# KiCad board helios-panel.kicad_pcb (continued)
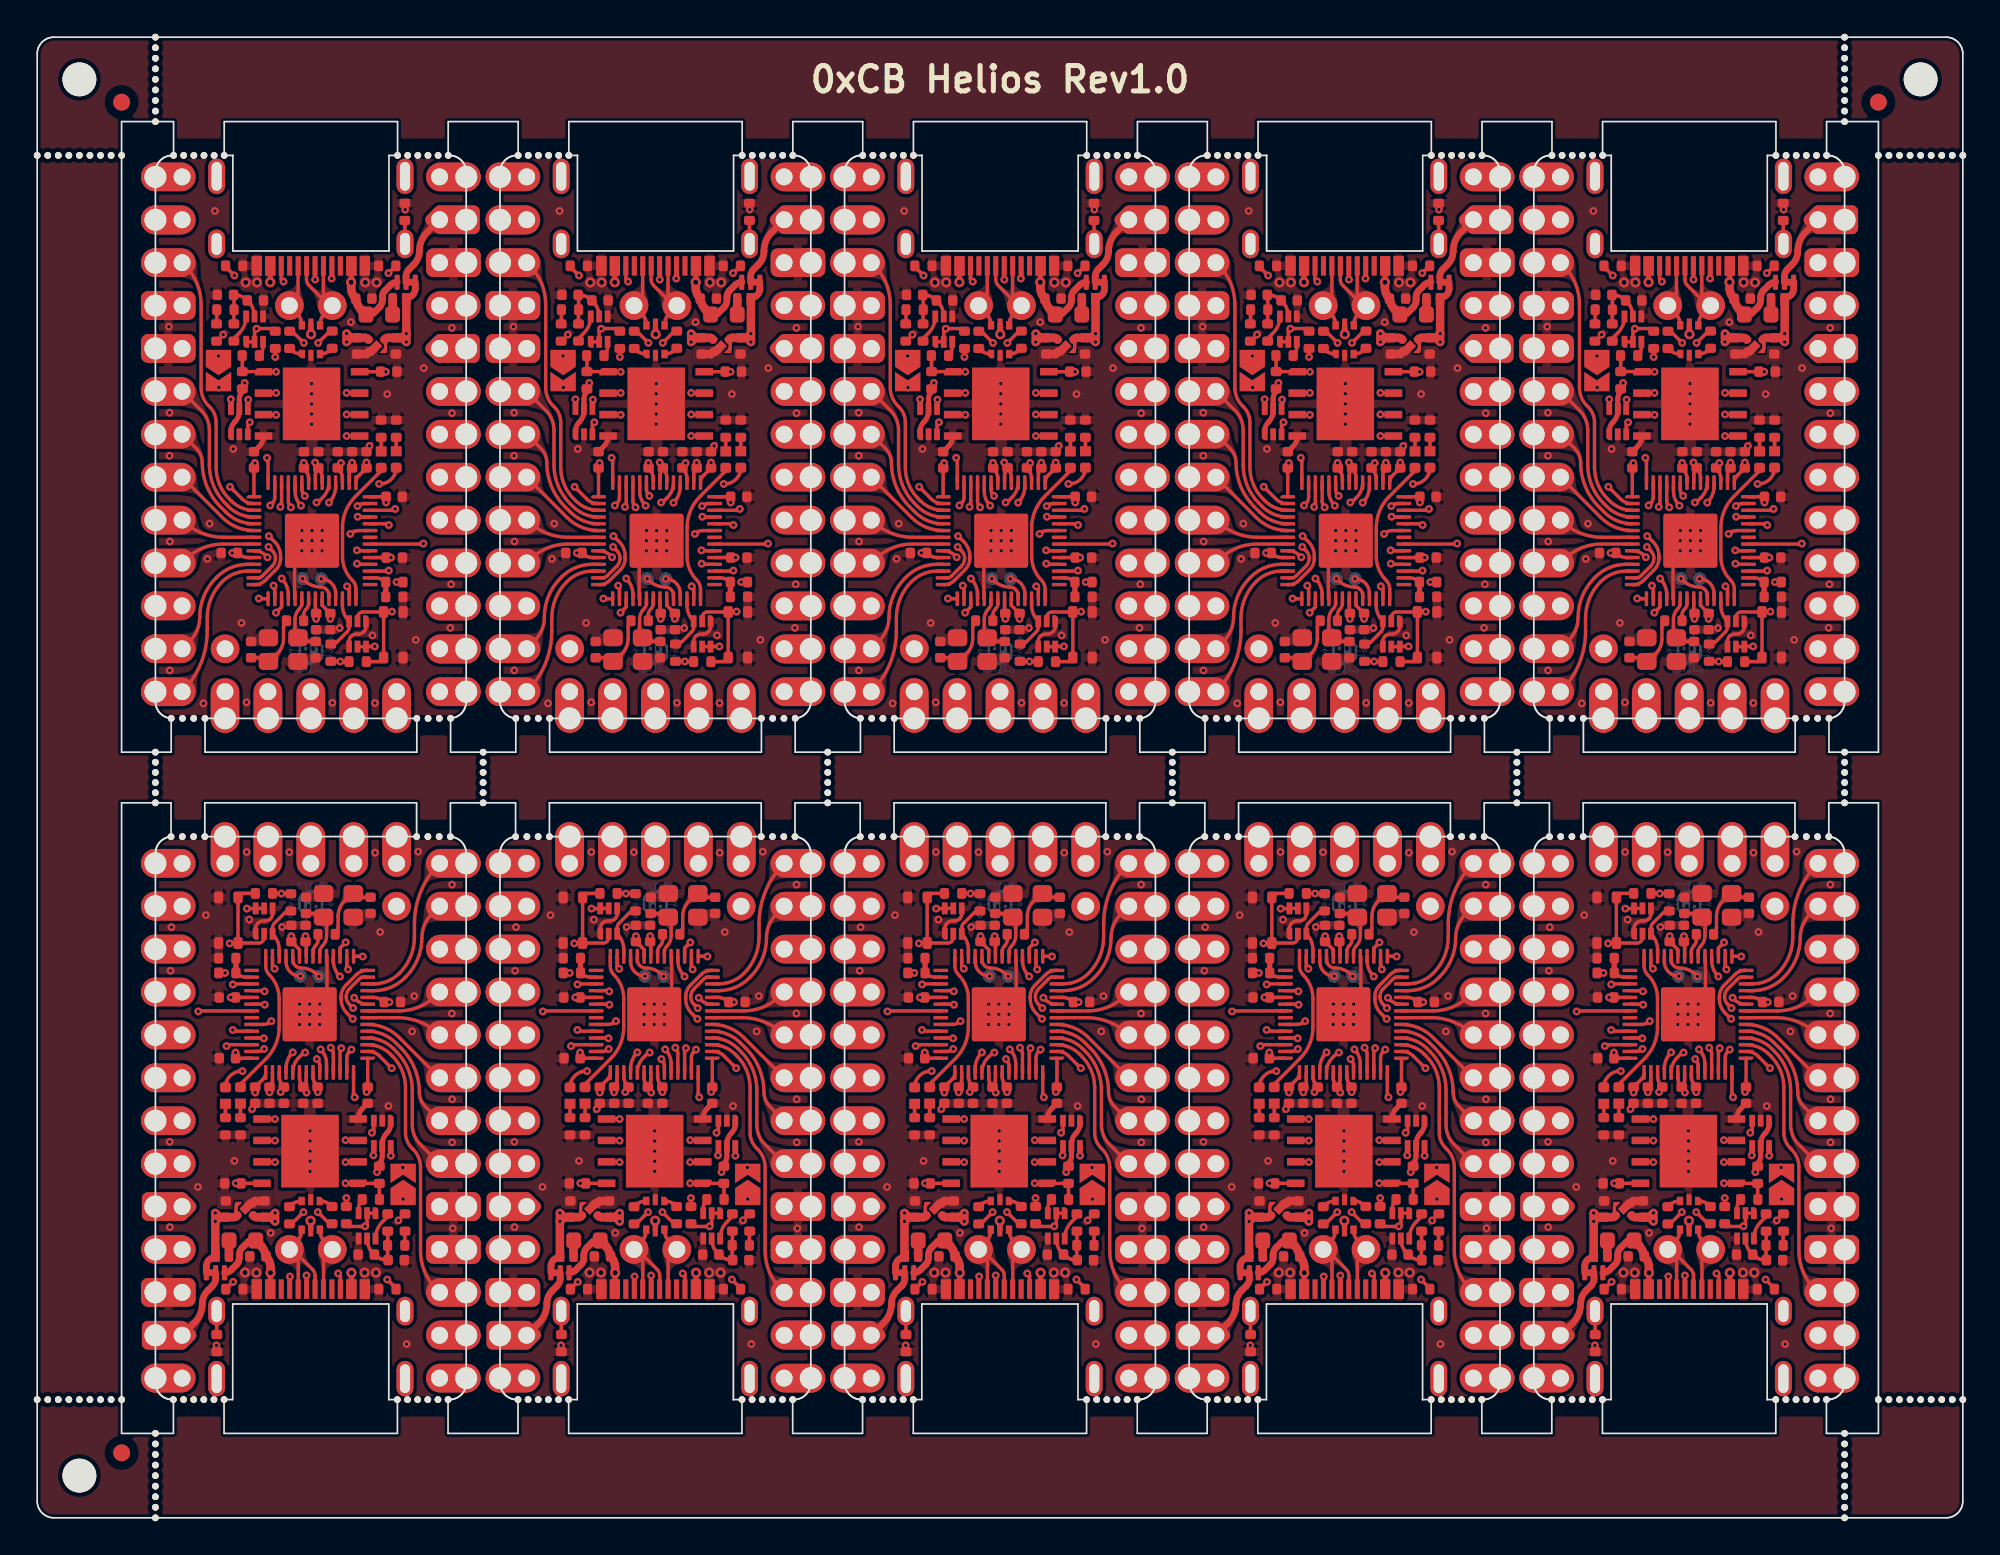
[diagram p0: board, top side]
## Routing (per net, layer and track width the routed paths; a pad name or vN(x,y) marks a point on that pad's centre or on a via; arc(x,y) is an arc through that point) (continued)
Board_2-/BOOT: length 0.9
  Top w0.2: Q2#5.3 54.17,69.33 arc(54.11,69.05) R9#4.2
Board_2-/D+: length 12.7
  Top w0.2: v1(56.58,69.56) 55.89,70.25 R12#4.2 ; v1(57.33,60.11) 57.41,60.11 57.7,60.4 arc(57.97,60.81) U4#3.47
  In1.Cu w0.2: v1(56.58,69.56) 57.21,68.93 arc(57.69,68.21) 57.86,67.37 57.86,66.51 57.86,62.62 arc(57.82,62.43) 57.71,62.27 57.62,62.17 arc(57.51,62.01) 57.47,61.82 57.47,60.25 v1(57.33,60.11)
Board_2-/D-: length 12.7
  Top w0.2: v1(57.44,69.56) 58.14,70.26 R13#9.2 ; U4#3.46 58.47,61.07 arc(58.37,60.54) v1(58.07,60.1)
  In1.Cu w0.2: v1(57.44,69.56) 57.44,69.55 arc(57.47,69.36) 57.58,69.2 arc(58.12,68.39) 58.31,67.44 58.31,66.13 arc(58.34,66.06) 58.4,66.04 arc(58.46,66.01) 58.49,65.95 58.49,65.83 arc(58.46,65.76) 58.4,65.74 58.31,65.74 58.31,65.73 58.25,65.73 arc(58.2,65.71) 58.18,65.66 58.18,65.49 arc(58.2,65.44) 58.25,65.43 arc(58.29,65.41) 58.31,65.36 58.31,62.44 arc(58.27,62.25) 58.16,62.08 58.07,61.99 arc(57.96,61.83) 57.92,61.63 57.92,60.45 arc(57.96,60.26) 58.07,60.1 v1(58.07,60.1)
Board_2-/LED: length 8.8
  Top w0.2: D2#7.2 61.17,61.99 59.64,60.47 arc(59.07,59.62) 58.88,58.62 58.88,56.92 arc(59.03,56.15) 59.46,55.5 arc(59.62,55.27) 59.67,55 U4#3.28
Board_2-/PORT+: length 7.1
  Top w0.2: 57.25,74.12 57.25,73.32 v1(57.25,73.31) ; U1.6 56.47,70.62 arc(56.39,71) 56.17,71.33 J2#10.34 56.25,72.28 56.25,74.12
  In1.Cu w0.2: J2#10.34 55.89,71.77 57.25,73.13 v1(57.25,73.31)
Board_2-/PORT-: length 7.1
  Top w0.2: J2#10.33 57.84,71.34 arc(57.62,71.01) 57.54,70.63 U1.4 ; J2#10.33 57.75,72.29 57.75,74.12 ; J2#10.33 58.08,71.77 56.89,72.96 arc(56.78,73.13) 56.75,73.32 56.75,74.12
Board_2-/QSPI_CLK: length 11.3
  Top w0.2: U4#3.52 56.07,60.77 arc(56.16,60.31) v1(56.42,59.92) ; v1(59.12,65.32) 59.13,65.31 U3#8.6
  In2.Cu w0.2: v1(56.42,59.92) 56.42,60.02 arc(55.96,60.72) 55.8,61.53 55.8,62.81 arc(55.97,63.23) 56.39,63.4 59.09,63.4 arc(59.45,63.55) 59.59,63.9 59.59,64.18 arc(59.47,64.8) v1(59.12,65.32)
Board_2-/QSPI_CS: length 9.8
  Top w0.2: v1(54.41,62.76) 54.47,62.69 54.47,61.31 ; 52.94,68.81 52.94,68.8 R11#3.2 54.19,67.86 U3#8.1 54.94,67.85 v1(54.94,67.85)
  In2.Cu w0.2: v1(54.41,62.76) arc(54.23,63.02) 54.17,63.32 54.17,65.98 arc(54.37,66.99) v1(54.94,67.85)
Board_2-/QSPI_SD0: length 11.3
  Top w0.2: v1(55.82,59.82) 55.82,59.83 arc(55.71,59.99) 55.67,60.18 U4#3.53 ; v1(59.12,64.05) 59.12,64.04 U3#8.5
  In2.Cu w0.2: v1(55.82,59.82) 55.82,59.9 arc(55.58,60.26) 55.5,60.68 55.5,62.86 arc(55.74,63.45) 56.33,63.7 57.17,63.7 arc(57.27,63.74) 57.31,63.85 57.31,64.1 arc(57.36,64.21) 57.47,64.25 arc(57.57,64.21) 57.61,64.1 57.61,63.85 arc(57.66,63.74) 57.77,63.7 arc(57.87,63.74) 57.92,63.85 57.92,64.1 arc(57.96,64.21) 58.06,64.25 arc(58.17,64.21) 58.22,64.1 58.22,63.85 arc(58.26,63.74) 58.36,63.7 arc(58.74,63.77) 59.06,63.99 v1(59.12,64.05)
Board_2-/QSPI_SD1: length 11.4
  Top w0.2: v1(54.59,59.94) 54.72,60.06 arc(54.83,60.23) 54.87,60.42 U4#3.55 ; U3#8.2 54.93,66.58 v1(54.94,66.6)
  In2.Cu w0.2: v1(54.59,59.94) 54.76,60.1 arc(54.86,60.25) 54.89,60.42 arc(54.85,60.53) 54.75,60.57 54.64,60.57 arc(54.54,60.61) 54.5,60.72 arc(54.54,60.83) 54.64,60.87 54.75,60.87 arc(54.85,60.91) 54.89,61.02 arc(54.85,61.13) 54.75,61.17 54.64,61.17 arc(54.54,61.21) 54.5,61.32 arc(54.54,61.43) 54.64,61.47 54.75,61.47 arc(54.85,61.51) 54.89,61.62 arc(54.85,61.73) 54.75,61.77 54.64,61.77 arc(54.54,61.81) 54.5,61.92 arc(54.54,62.03) 54.64,62.07 54.75,62.07 arc(54.85,62.11) 54.89,62.22 54.89,62.78 arc(54.86,62.97) 54.75,63.13 54.62,63.26 arc(54.51,63.43) 54.47,63.62 54.47,63.96 arc(54.51,64.06) 54.62,64.11 54.72,64.11 arc(54.83,64.15) 54.87,64.26 arc(54.83,64.36) 54.72,64.41 54.62,64.41 arc(54.51,64.45) 54.47,64.56 54.47,65.46 arc(54.59,66.07) v1(54.94,66.6)
Board_2-/QSPI_SD2: length 11.3
  Top w0.2: v1(55.19,59.85) 55.27,59.92 U4#3.54 ; v1(54.94,65.3) 54.93,65.31 U3#8.3
  In2.Cu w0.2: v1(55.19,59.85) 55.19,63.85 arc(55.24,63.96) 55.34,64 56.05,64 arc(56.15,64.04) 56.19,64.15 arc(56.15,64.26) 56.05,64.3 55.34,64.3 arc(55.24,64.34) 55.19,64.45 arc(55.24,64.56) 55.34,64.6 56.05,64.6 arc(56.15,64.64) 56.19,64.75 arc(56.15,64.86) 56.05,64.9 55.34,64.9 arc(55.24,64.94) 55.19,65.05 v1(54.94,65.3)
Board_2-/QSPI_SD3: length 11.4
  Top w0.2: v1(59.12,66.6) 59.14,66.58 U3#8.7 ; v1(56.64,60.5) 56.62,60.53 arc(56.51,60.69) 56.47,60.88 U4#3.51
  In2.Cu w0.2: v1(56.64,60.5) arc(56.24,61.11) 56.1,61.82 56.1,62.75 arc(56.19,62.98) 56.43,63.08 59.11,63.08 arc(59.69,63.32) 59.94,63.9 59.94,64.63 arc(59.72,65.7) v1(59.12,66.6)
Board_2-/RAW: length 4.4
  Top w0.4: JP2#3.2 62.64,73.48 arc(62.68,73.72) 62.82,73.92 63.1,74.21 arc(63.34,74.56) 63.42,74.98 arc(63.55,75.6) 63.9,76.13 J2#10.30
Board_2-/RESET: length 25.2
  Top w0.2: SW1#4.2 SW1#4.2 61.07,50.69 60.28,50.69 ; SW1#4.2 60.08,53.63 arc(59.86,53.54) 59.77,53.31 Q1#10.2 ; SW1#4.2 61.78,53.63 v1(61.81,53.65)
  In2.Cu w0.2: v1(61.81,53.65) arc(62.75,55.06) 63.08,56.73 63.08,68.05 arc(63.48,70.06) J2#10.28
Board_2-/RGB_5V: length 17.5
  Top w0.2: U5#6.4 53.27,66.17 v1(53.3,66.2)
  In2.Cu w0.2: v1(53.3,66.2) arc(53.01,65.77) 52.91,65.27 52.91,61.78 arc(53.14,60.62) 53.8,59.64 55.07,58.37 arc(55.38,57.9) 55.49,57.35 arc(55.37,56.74) 55.02,56.22 53.11,54.32 arc(52.23,53) J2#10.32
Board_2-/RGB_DO: length 15.4
  Top w0.2: U4#3.37 59.82,58.45 arc(59.56,58.4) v1(59.33,58.25) ; U5#6.3 53.27,64.75 v1(53.39,64.86)
  In1.Cu w0.2: v1(53.39,64.86) 52.59,64.86 arc(51.94,64.59) 51.67,63.93 arc(51.81,63.2) 52.23,62.58 53,61.8 arc(53.44,61.15) 53.59,60.38 53.59,59.87 arc(53.78,59.41) 54.23,59.22 57.71,59.22 arc(58.31,59.1) 58.82,58.76 v1(59.33,58.25)
Board_2-/RST: length 3.3
  Top w0.2: U4#3.26 58.87,54.03 arc(58.97,53.52) Q1#10.3 59.27,52.74 arc(59.23,52.58) 59.15,52.45 58.54,51.85 arc(58.41,51.76) 58.26,51.73 R3.2
Board_2-/SWD_CLK: length 2.2
  Top w0.2: v1(56.52,55.6) 56.61,55.51 arc(57.05,55.21) 57.57,55.11 arc(57.92,54.96) 58.07,54.61 U4#3.24
Board_2-/SWD_IO: length 1.7
  Top w0.2: U4#3.25 58.47,54.74 arc(58.22,55.34) v1(57.61,55.59)
Board_2-/USB+: length 0.8
  Top w0.2: R12#4.1 55.8,69.18 arc(56.1,68.97) U1.1
Board_2-/USB-: length 0.8
  Top w0.2: R13#9.1 58.2,69.17 arc(57.9,68.97) U1.3
Board_2-GND: length 8.2
  Top w0.2: Q1#10.4 59.27,51.9 arc(59.3,52.06) 59.38,52.19 59.4,52.2 arc(59.53,52.29) 59.68,52.32 59.83,52.32 arc(59.98,52.35) 60.11,52.44 60.15,52.47 arc(60.23,52.6) 60.27,52.76 Q1#10.1 ; v1(57.07,57.85) 56.04,56.82 56.04,54.44 U4#3.19
  Top w0.3: C16#5.2 53.95,63.43 arc(54.13,63.71) U3#8.4
  Top w0.5: C5#6.2 60.3,68.9 U2#2.2 60.56,69.05 60.71,69.2
  vias: v1(48.59,70.52) v1(48.64,65.43) v1(48.64,62.88) v1(48.64,50.17) v1(48.66,57.8) v1(50.64,48.22) v1(50.88,56.77) v1(51,58.86) v1(51.33,77.37) v1(51.81,70.05) v1(52.41,63.28) v1(52.89,52.98) v1(53.19,48.28) v1(56.47,58.45) v1(56.47,57.85) v1(56.47,57.25) v1(57.05,67.15) v1(57.05,66.55) v1(57.05,65.95) v1(57.05,65.35) v1(57.05,64.75) v1(57.07,58.45) v1(57.07,57.25) v1(57.67,58.45) v1(57.67,57.85) v1(57.67,57.25) v1(58.28,48.25) v1(58.7,52.68) v1(59.38,70.79) v1(60.47,63.46) v1(60.64,52.24) v1(60.8,48.24) v1(61.53,66.53) v1(62.58,77.45) v1(63.22,51.98) v1(63.69,68.07) v1(65.34,70.45) v1(65.31,55.27) v1(65.25,52.69) v1(65.36,65.4) v2(53.14,73.14) v2(53.81,73.14) v2(60.22,73.14) v2(60.89,73.14)
Board_2-Net-(C8-Pad2): length 3.9
  Top w0.2: 55.56,53.11 55.53,53.09 arc(55.42,52.92) 55.39,52.73 55.39,52.06 arc(55.29,51.56) 55.01,51.14 54.56,50.7 Y1#6.1 54.27,50.92 C8#5.2
Board_2-Net-(D1-A): length 22.4
  Top w0.2: v1(61.05,61.21) 61.09,61.21 arc(61.77,61.49) D1#5.2 ; JP1#7.2 51.56,67.17 v1(51.56,66.92)
  In1.Cu w0.2: v1(61.05,61.21) 59.94,61.21 arc(59.47,61.12) 59.08,60.85 arc(58.86,60.53) 58.78,60.15 arc(58.9,59.57) 59.23,59.08 59.68,58.63 arc(59.82,58.27) 59.68,57.92 59.66,57.9 arc(59.31,57.76) 58.95,57.9 58.13,58.73 arc(57.91,58.87) 57.66,58.92 54.21,58.92 arc(53.56,59.2) 53.29,59.85 53.29,60.24 arc(53.13,61.03) 52.68,61.7 51.93,62.45 arc(51.51,63.08) 51.36,63.82 51.36,66.49 arc(51.41,66.72) 51.54,66.92 v1(51.56,66.92)
Board_2-Net-(D1-K): length 0.8
  Top w0.2: D1#5.1 R10#4.1
Board_2-Net-(D2-K): length 0.8
  Top w0.2: D2#7.1 R15#10.1
Board_2-Net-(D3-A): length 0.9
  Top w0.5: D3#10.2 61.84,71.24 F1#8.2
Board_2-Net-(J1-CC1): length 4.8
  Top w0.2: v1(58.23,73.37) 58.25,73.38 58.25,74.12 ; v1(61.59,73.69) 61.61,73.69 R7#5.2
  In1.Cu w0.2: v1(61.59,73.69) 61.58,73.67 58.97,73.67 arc(58.57,73.6) v1(58.23,73.37)
Board_2-Net-(J1-CC2): length 4.9
  Top w0.2: R8#3.2 51.95,74.07 v1(52.47,73.55) ; v1(55.39,73.19) 55.25,73.33 55.25,74.12
  In1.Cu w0.2: v1(52.47,73.55) 52.51,73.59 arc(52.61,73.65) 52.72,73.67 54.78,73.67 arc(54.89,73.65) 54.99,73.59 v1(55.39,73.19)
Board_2-Net-(J1-SHIELD): length 1.4
  Top w0.2: 62.57,75.42 62.57,76.8 FB1#3.1
Board_2-Net-(Q1A-D): length 26.6
  Top w0.2: Q2#5.1 Q2#5.2 53.67,70.28 v1(53.78,70.4) 53.8,70.41 54.73,70.41 R2#5.2 ; v1(60.78,51.59) 60.28,51.59 Q1#10.6 Q1#10.5
  In2.Cu w0.2: v1(60.78,51.59) 60.39,51.59 arc(58.44,51.98) 56.78,53.08 arc(56.05,54.18) 55.79,55.48 55.79,57.44 arc(55.67,58.02) 55.34,58.52 54.09,59.77 arc(53.44,60.74) 53.21,61.89 53.21,62.87 arc(53.3,63.34) 53.57,63.74 arc(53.79,64.07) 53.87,64.46 53.87,70.32 v1(53.78,70.4)
Board_2-Net-(Q2A-D): length 1.7
  Top w0.2: R4#3.1 52.44,69.82 52.76,70.13 arc(53.06,70.59) Q2#5.6
Board_2-Net-(Q2B-G): length 3.7
  Top w0.2: R4#3.2 52.44,71.51 R5#9.1 52.45,72.37 C1#4.1 52.46,72.4 arc(52.88,72.32) C2#8.1 53.3,72.01 arc(53.57,71.61) Q2#5.5
Board_2-Net-(R5-Pad2): length 0.8
  Top w0.2: R6#8.1 51.44,70.7 51.44,71.53
Board_2-Net-(U4-XTAL_IN): length 3.6
  Top w0.2: C7#2.2 56.46,51.88 Y1#6.3 56.21,52.13 arc(56.1,52.29) 56.06,52.48 56.06,53.19 arc(56.13,53.53) 56.32,53.82 arc(56.43,53.98) 56.47,54.17 U4#3.20
Board_2-Net-(U4-XTAL_OUT): length 1.4
  Top w0.2: R14#6.2 56.58,53.44 arc(56.61,53.63) 56.72,53.79 56.72,53.79 arc(56.83,53.96) 56.87,54.15 U4#3.21
Board_2-VBUS: length 32.1
  Top w0.2: v1(62.08,55.4) R16#4.1
  Top w0.3: v2(59.39,73.15) 59.39,73.16 59.39,74.12 ; v2(54.59,73.15) 54.59,74.12
  Top w0.4: F1#8.1 60.51,71.24 arc(60.62,71.26) 60.72,71.33 61.06,71.66 arc(61.19,71.86) 61.23,72.1 61.23,72.29 arc(61.27,72.48) 61.39,72.65 61.72,72.99 arc(61.9,73.11) JP2#3.3
  Top w0.5: v2(59.39,73.15) 59.39,72.83 arc(59.46,72.48) C3#6.1 59.68,72.16 59.68,72.15 arc(59.77,71.82) 59.97,71.54 F1#8.1
  In2.Cu w0.2: v1(62.08,55.4) arc(62.6,56.18) 62.78,57.1 62.78,64.96 arc(61.9,69.39) v2(59.39,73.15)
  In2.Cu w0.5: v2(54.59,73.15) arc(54.86,73.8) 55.51,74.07 58.47,74.07 arc(59.12,73.8) v2(59.39,73.15)
Board_3-+1V1: length 15.7
  Top w0.2: v1(76.98,62.46) 77,62.45 C17#9.1 arc(77.2,61.86) 77.27,61.5 U4#5.50 ; v1(79.19,62.45) 79,62.26 C10#6.2 arc(79.2,61.86) 79.27,61.5 U4#5.45 ; U4#5.23 78.07,54.02 78.55,53.54 C19#4.1 v1(78.56,53.22)
  In2.Cu w0.2: v1(76.98,62.46) 78.03,61.42 ; 78.03,61.42 78.67,60.77 arc(78.95,60.36) 79.05,59.87 79.05,54.4 arc(78.92,53.76) v1(78.56,53.22) ; 78.03,61.42 79.06,62.45 v1(79.19,62.45)
Board_3-+3V3: length 21.3
  Top w0.2: 80.88,56.85 C12#7.1 v1(82.14,56.85) ; 81.34,67.85 v1(81.84,67.85) 81.84,67.85 U3#9.8 ; v1(77.66,62.48) 77.84,62.29 C14#3.1 ; U4#5.1 74.03,62.16 C16#8.1 74.03,62.39 v1(74.09,62.45) ; v1(72.75,57.12) C15#5.1 arc(73.35,56.92) 73.71,56.85 U4#5.10 ; R2#4.1 v1(75.3,68.72) ; R3#8.1 78.59,50.7 v1(79.14,50.7) 79.16,50.69 R1#2.1 ; v1(80.69,62.48) C18#9.1 80.24,61.71 arc(80.12,61.52) U4#5.43 ; v1(79.84,62.47) C9#2.2 79.73,62.04 arc(79.69,61.98) 79.67,61.9 U4#5.44 ; v1(77.72,53.22) C11.1 77.67,53.58 U4#5.22 ; v1(73.48,67.19) 73.48,66.98 R11#4.1 ; 80.88,60.45 81.86,60.45 v1(81.86,60.11) ; U4#5.48 78.07,61.62 arc(78.01,61.91) C14#3.1 ; U4#5.49 77.67,61.74 arc(77.72,61.97) C14#3.1
  Top w0.3: R11#4.1 73.34,66.66 73.29,66.61 arc(73.2,66.43) 73.17,66.24 U5#9.5 73.17,65.53 arc(73.1,65.18) 72.9,64.88 72.89,64.87 arc(72.73,64.63) 72.67,64.34 U5#9.1
  Top w0.5: 80.82,69.75 80.77,69.8 arc(80.7,69.84) 80.63,69.86 C5#9.1 79.77,69.86 ; 79.77,69.86 v1(79.52,70.11) v1(79.52,69.61) 79.77,69.86
  vias: v1(71.94,68.79)
Board_3-+5V: length 20.9
  Top w0.2: U2.3 81.77,69.1 arc(81.81,69.16) 81.82,69.24 81.82,69.53 arc(81.81,69.61) 81.77,69.67 U2.4
  Top w0.3: v2(77.42,70.07) 77.41,70.08 U1#2.5 ; v1(72.67,66.22) 72.67,66.22 U5#9.6
  Top w0.4: JP2#5.1 83.58,72.77 arc(83.43,72.4) 83.06,72.24
  Top w0.5: 82.81,69.86 v1(83.06,70.11) ; 82.81,69.86 v1(83.06,69.61) v1(83.06,70.11) ; 82.81,69.86 C4#9.1 81.94,69.86 arc(81.87,69.84) 81.8,69.8 81.75,69.75 ; v1(83.06,70.11) 83.06,72.24 83.05,72.23 D3#8.1
  In1.Cu w0.3: v1(83.06,69.61) 82.76,69.32 arc(82.4,69.08) 81.97,68.99 79.8,68.99 arc(79.29,69.09) 78.85,69.38 78.43,69.8 arc(78.12,70.01) 77.75,70.08 77.43,70.08 v2(77.42,70.07) 77.4,70.08 76.19,70.08 arc(74.86,69.82) 73.73,69.06 arc(72.94,67.89) 72.67,66.5 v1(72.67,66.22)
Board_3-/0_TX0: length 18.4
  Top w0.2: U4#5.2 73.98,60.05 arc(73.63,60.12) 73.34,60.32 v1(72.61,61.04)
  In1.Cu w0.2: J2#6.2 69.78,76.28 arc(69.82,76.09) 69.93,75.93 69.96,75.89 arc(70.85,74.56) 71.17,72.98 71.17,63.75 arc(71.35,62.84) 71.86,62.07 72.42,61.51 arc(72.56,61.29) v1(72.61,61.04)
Board_3-/1_RX0: length 16.4
  Top w0.2: J2#6.3 69.96,74.13 arc(70.66,73.08) 70.91,71.85 70.91,66.89 arc(71.02,66.33) 71.34,65.85 71.42,65.76 arc(71.7,65.35) 71.8,64.86 71.8,62.19 arc(72,61.18) 72.57,60.33 72.69,60.21 arc(73.3,59.79) U4#5.3
Board_3-/2_SDA1: length 9.4
  Top w0.2: J2#6.6 70.92,65.55 arc(71.27,65.02) 71.39,64.4 71.39,62.33 arc(71.64,61.1) 72.34,60.06 72.52,59.88 arc(73.21,59.41) U4#5.4
Board_3-/3_SCL1: length 7.3
  Top w0.2: J2#6.7 70.62,63.31 arc(70.88,62.92) 70.97,62.45 arc(71.25,61.05) 72.05,59.86 72.37,59.54 arc(73.13,59.03) U4#5.5
Board_3-/4: length 5.4
  Top w0.2: J2#6.8 72.17,59.22 arc(73.02,58.65) U4#5.6
Board_3-/5: length 4.5
  Top w0.2: U4#5.7 72.24,58.05 arc(70.91,58.32) J2#6.9
Board_3-/6: length 4.6
  Top w0.2: U4#5.8 72.19,57.65 arc(71,57.41) 69.99,56.74 J2#6.10
Board_3-/7: length 6.9
  Top w0.2: U4#5.9 74.07,57.25 arc(74.43,57.18) 74.73,56.97 v1(74.83,56.87)
  In2.Cu w0.2: v1(74.83,56.87) 73.49,55.53 arc(71.79,54.39) J2#6.11
Board_3-/8: length 7.3
  Top w0.2: U4#5.11 73.65,56.45 arc(72.68,56.26) 71.85,55.71 71.78,55.64 arc(71.07,54.58) 70.83,53.32 arc(70.67,52.56) 70.24,51.91 J2#6.12
Board_3-/9: length 9.2
  Top w0.2: U4#5.12 73.67,56.05 arc(72.85,55.89) 72.16,55.42 arc(71.5,54.43) 71.27,53.27 71.27,52.5 arc(70.88,50.55) J2#6.13
Board_3-/10: length 26.5
  Top w0.2: v1(74.89,57.48) 75.13,57.24 arc(75.26,57.05) 75.31,56.82 arc(75.26,56.56) 75.11,56.34 74.54,55.77 arc(74.41,55.68) 74.26,55.65 U4#5.13
  In2.Cu w0.2: v1(74.89,57.48) 74.86,57.48 71.58,60.76 arc(71.17,61.38) 71.03,62.1 71.03,76.38 arc(70.7,78.01) J2#6.1
Board_3-/11: length 38
  Top w0.2: U4#5.14 74.12,55.25 arc(74.42,55.31) 74.68,55.48 75.33,56.13 arc(75.54,56.44) 75.61,56.8 75.61,56.93 arc(75.52,57.4) 75.25,57.79 74.93,58.12 v1(74.92,58.12)
  In1.Cu w0.2: v1(74.92,58.12) 74.92,58.31 arc(74.82,58.53) 74.6,58.62 arc(73.74,58.98) 73.39,59.84 73.39,60.07 arc(73.22,60.9) 72.75,61.6 72.09,62.26 arc(71.63,62.96) 71.47,63.78 71.47,72.27 arc(72.02,73.6) 73.35,74.15 82.63,74.15 arc(83.46,74.49) 83.81,75.33 83.81,76.46 arc(84.12,78.04) J2#6.31
Board_3-/12: length 6.6
  Top w0.2: v1(74.32,54.42) 74.33,54.41 U4#5.15
  In1.Cu w0.2: v1(74.32,54.42) 74.32,53.74 arc(73.8,51.13) J2#6.14
Board_3-/13: length 7.2
  Top w0.2: U4#5.16 75.27,55.11 v1(75.19,55.19)
  In1.Cu w0.2: J2#6.15 74.86,54.38 arc(74.95,54.82) v1(75.19,55.19)
Board_3-/14: length 6.2
  Top w0.2: v1(75.33,53.59) 75.67,53.92 U4#5.17
  In1.Cu w0.2: J2#6.16 77.18,49.13 arc(75.82,51.17) v1(75.33,53.59)
Board_3-/15: length 9.5
  Top w0.2: U4#5.18 76.07,54.66 arc(75.97,55.17) v1(75.67,55.61)
  In1.Cu w0.2: J2#6.17 77.4,51.45 arc(76.57,52.7) 76.28,54.16 arc(76.12,54.95) v1(75.67,55.61)
Board_3-/16: length 7.9
  Top w0.2: U4#5.27 79.67,55.02 v1(79.55,55.15)
  In1.Cu w0.2: J2#6.18 81.88,49.51 arc(80.15,52.1) v1(79.55,55.15)
Board_3-/20_SDI: length 4.9
  Top w0.2: v1(82.02,56.08) 81.98,56.05 U4#5.31
  In1.Cu w0.2: J2#6.21 83.58,55.43 arc(82.86,55.91) v1(82.02,56.08)
Board_3-/21_CS: length 10.1
  Top w0.2: v1(80.14,56.49) 80.17,56.45 U4#5.32
  In1.Cu w0.2: J2#6.19 82.12,51.81 arc(80.82,53.64) 80.19,55.78 80.19,56.44 v1(80.14,56.49)
Board_3-/22_SCK: length 5.9
  Top w0.2: U4#5.34 80.16,57.25 v1(80.12,57.28)
  In1.Cu w0.2: v1(80.12,57.28) 80.17,57.32 83.1,57.32 arc(84.14,57.12) J2#6.22
Board_3-/23_SDO: length 9.8
  Top w0.2: U4#5.35 84.03,57.65 v1(84.06,57.68)
  In2.Cu w0.2: v1(84.06,57.68) 83.94,57.55 83.94,53.83 arc(84.17,52.63) 84.85,51.62 J2#6.20
Board_3-/A0: length 4.2
  Top w0.2: U4#5.38 81.94,58.85 v1(82.02,58.77)
  In1.Cu w0.2: v1(82.02,58.77) 84.31,58.77 arc(84.69,58.85) J2#6.23
Board_3-/A1: length 6.5
  Top w0.2: v1(80.17,59.27) 80.19,59.25 U4#5.39
  In1.Cu w0.2: J2#6.24 82.92,59.51 arc(82.63,59.32) 82.29,59.25 80.2,59.25 v1(80.17,59.27)
Board_3-/A2: length 6.8
  Top w0.2: U4#5.40 82.31,59.65 v1(82.39,59.73)
  In1.Cu w0.2: J2#6.25 83.66,62.79 arc(82.72,61.39) v1(82.39,59.73)
Board_3-/A3: length 9.7
  Top w0.2: v1(80.17,59.9) 80.17,59.9 arc(80.33,60.01) 80.52,60.05 U4#5.41
  In1.Cu w0.2: J2#6.26 83.2,64.87 arc(82.51,63.83) 82.27,62.61 82.27,62.11 arc(82.1,61.26) 81.61,60.54 81.55,60.47 arc(80.91,60.05) v1(80.17,59.9)
Board_3-/BOOT: length 0.9
  Top w0.2: Q2#7.3 74.57,69.33 arc(74.51,69.05) R9#6.2
Board_3-/D+: length 12.7
  Top w0.2: v1(76.98,69.56) 76.3,70.25 R12#5.2 ; v1(77.73,60.11) 77.81,60.11 78.1,60.4 arc(78.37,60.81) U4#5.47
  In1.Cu w0.2: v1(76.98,69.56) 77.61,68.93 arc(78.09,68.21) 78.26,67.37 78.26,66.51 78.26,62.62 arc(78.22,62.43) 78.11,62.27 78.02,62.17 arc(77.91,62.01) 77.87,61.82 77.87,60.25 v1(77.73,60.11)
Board_3-/D-: length 12.7
  Top w0.2: v1(77.83,69.56) 78.53,70.26 R13#10.2 ; U4#5.46 78.87,61.07 arc(78.77,60.54) v1(78.47,60.1)
  In1.Cu w0.2: v1(77.83,69.56) 77.83,69.55 arc(77.87,69.36) 77.98,69.2 arc(78.52,68.39) 78.71,67.44 78.71,66.13 arc(78.74,66.06) 78.8,66.04 arc(78.86,66.01) 78.89,65.95 78.89,65.83 arc(78.86,65.76) 78.8,65.74 78.71,65.74 78.71,65.73 78.65,65.73 arc(78.6,65.71) 78.58,65.66 78.58,65.49 arc(78.6,65.44) 78.65,65.43 arc(78.69,65.41) 78.71,65.36 78.71,62.44 arc(78.67,62.25) 78.56,62.08 78.47,61.99 arc(78.36,61.83) 78.32,61.63 78.32,60.45 arc(78.36,60.26) 78.47,60.1 v1(78.47,60.1)
Board_3-/LED: length 8.8
  Top w0.2: D2#9.2 81.56,61.99 80.04,60.47 arc(79.47,59.62) 79.28,58.62 79.28,56.92 arc(79.43,56.15) 79.86,55.5 arc(80.02,55.27) 80.07,55 U4#5.28
Board_3-/PORT+: length 7.1
  Top w0.2: 77.64,74.12 77.64,73.32 v1(77.66,73.31) ; U1#2.6 76.87,70.62 arc(76.79,71) 76.57,71.33 J2#6.34 76.64,72.28 76.64,74.12
  In1.Cu w0.2: J2#6.34 76.3,71.77 77.66,73.13 v1(77.66,73.31)
Board_3-/PORT-: length 7.1
  Top w0.2: J2#6.33 78.24,71.34 arc(78.02,71.01) 77.94,70.63 U1#2.4 ; J2#6.33 78.14,72.29 78.14,74.12 ; J2#6.33 78.48,71.77 77.29,72.96 arc(77.18,73.13) 77.14,73.32 77.14,74.12
Board_3-/QSPI_CLK: length 11.3
  Top w0.2: U4#5.52 76.47,60.77 arc(76.56,60.31) v1(76.82,59.92) ; v1(79.52,65.32) 79.53,65.31 U3#9.6
  In2.Cu w0.2: v1(76.82,59.92) 76.82,60.02 arc(76.36,60.72) 76.19,61.53 76.19,62.81 arc(76.37,63.23) 76.79,63.4 79.49,63.4 arc(79.85,63.55) 79.99,63.9 79.99,64.18 arc(79.87,64.8) v1(79.52,65.32)
Board_3-/QSPI_CS: length 9.8
  Top w0.2: v1(74.81,62.76) 74.87,62.69 74.87,61.31 ; R9#6.1 73.34,68.8 R11#4.2 74.59,67.86 U3#9.1 75.34,67.85 v1(75.34,67.85)
  In2.Cu w0.2: v1(74.81,62.76) arc(74.63,63.02) 74.57,63.32 74.57,65.98 arc(74.77,66.99) v1(75.34,67.85)
Board_3-/QSPI_SD0: length 11.3
  Top w0.2: v1(76.22,59.82) 76.22,59.83 arc(76.11,59.99) 76.07,60.18 U4#5.53 ; v1(79.52,64.05) 79.53,64.04 U3#9.5
  In2.Cu w0.2: v1(76.22,59.82) 76.22,59.9 arc(75.98,60.26) 75.89,60.68 75.89,62.86 arc(76.14,63.45) 76.73,63.7 77.56,63.7 arc(77.67,63.74) 77.72,63.85 77.72,64.1 arc(77.76,64.21) 77.86,64.25 arc(77.97,64.21) 78.02,64.1 78.02,63.85 arc(78.06,63.74) 78.17,63.7 arc(78.27,63.74) 78.31,63.85 78.31,64.1 arc(78.36,64.21) 78.47,64.25 arc(78.57,64.21) 78.61,64.1 78.61,63.85 arc(78.66,63.74) 78.77,63.7 arc(79.14,63.77) 79.46,63.99 v1(79.52,64.05)
Board_3-/QSPI_SD1: length 11.4
  Top w0.2: v1(75,59.94) 75.12,60.06 arc(75.23,60.23) 75.27,60.42 U4#5.55 ; U3#9.2 75.33,66.58 v1(75.34,66.6)
  In2.Cu w0.2: v1(75,59.94) 75.16,60.1 arc(75.26,60.25) 75.3,60.42 arc(75.25,60.53) 75.14,60.57 75.05,60.57 arc(74.94,60.61) 74.89,60.72 arc(74.94,60.83) 75.05,60.87 75.14,60.87 arc(75.25,60.91) 75.3,61.02 arc(75.25,61.13) 75.14,61.17 75.05,61.17 arc(74.94,61.21) 74.89,61.32 arc(74.94,61.43) 75.05,61.47 75.14,61.47 arc(75.25,61.51) 75.3,61.62 arc(75.25,61.73) 75.14,61.77 75.05,61.77 arc(74.94,61.81) 74.89,61.92 arc(74.94,62.03) 75.05,62.07 75.14,62.07 arc(75.25,62.11) 75.3,62.22 75.3,62.78 arc(75.26,62.97) 75.15,63.13 75.02,63.26 arc(74.91,63.43) 74.87,63.62 74.87,63.96 arc(74.91,64.06) 75.02,64.11 75.12,64.11 arc(75.23,64.15) 75.27,64.26 arc(75.23,64.36) 75.12,64.41 75.02,64.41 arc(74.91,64.45) 74.87,64.56 74.87,65.46 arc(74.99,66.07) v1(75.34,66.6)
Board_3-/QSPI_SD2: length 11.3
  Top w0.2: v1(75.59,59.85) 75.67,59.92 U4#5.54 ; v1(75.34,65.3) 75.33,65.31 U3#9.3
  In2.Cu w0.2: v1(75.59,59.85) 75.59,63.85 arc(75.64,63.96) 75.75,64 76.44,64 arc(76.55,64.04) 76.59,64.15 arc(76.55,64.26) 76.44,64.3 75.75,64.3 arc(75.64,64.34) 75.59,64.45 arc(75.64,64.56) 75.75,64.6 76.44,64.6 arc(76.55,64.64) 76.59,64.75 arc(76.55,64.86) 76.44,64.9 75.75,64.9 arc(75.64,64.94) 75.59,65.05 v1(75.34,65.3)
Board_3-/QSPI_SD3: length 11.4
  Top w0.2: v1(79.52,66.6) 79.53,66.58 U3#9.7 ; v1(77.05,60.5) 77.02,60.53 arc(76.91,60.69) 76.87,60.88 U4#5.51
  In2.Cu w0.2: v1(77.05,60.5) arc(76.64,61.11) 76.5,61.82 76.5,62.75 arc(76.59,62.98) 76.83,63.08 79.51,63.08 arc(80.09,63.32) 80.33,63.9 80.33,64.63 arc(80.12,65.7) v1(79.52,66.6)
Board_3-/RAW: length 4.4
  Top w0.4: JP2#5.2 83.03,73.48 arc(83.08,73.72) 83.22,73.92 83.5,74.21 arc(83.74,74.56) 83.83,74.98 arc(83.95,75.6) 84.3,76.13 J2#6.30
Board_3-/RESET: length 25.2
  Top w0.2: SW1#9.2 SW1#9.2 81.47,50.69 R1#2.2 ; SW1#9.2 80.48,53.63 arc(80.26,53.54) 80.17,53.31 Q1#4.2 ; SW1#9.2 82.19,53.63 v1(82.2,53.65)
  In2.Cu w0.2: v1(82.2,53.65) arc(83.15,55.06) 83.48,56.73 83.48,68.05 arc(83.88,70.06) J2#6.28
Board_3-/RGB_5V: length 17.5
  Top w0.2: U5#9.4 73.67,66.17 v1(73.69,66.2)
  In2.Cu w0.2: v1(73.69,66.2) arc(73.41,65.77) 73.31,65.27 73.31,61.78 arc(73.54,60.62) 74.2,59.64 75.47,58.37 arc(75.78,57.9) 75.89,57.35 arc(75.77,56.74) 75.42,56.22 73.51,54.32 arc(72.63,53) J2#6.32
Board_3-/RGB_DO: length 15.4
  Top w0.2: U4#5.37 80.22,58.45 arc(79.96,58.4) v1(79.73,58.25) ; U5#9.3 73.67,64.75 v1(73.78,64.86)
  In1.Cu w0.2: v1(73.78,64.86) 72.99,64.86 arc(72.34,64.59) 72.06,63.93 arc(72.21,63.2) 72.63,62.58 73.4,61.8 arc(73.84,61.15) 73.99,60.38 73.99,59.87 arc(74.18,59.41) 74.63,59.22 78.11,59.22 arc(78.71,59.1) 79.22,58.76 v1(79.73,58.25)
Board_3-/RST: length 3.3
  Top w0.2: U4#5.26 79.27,54.03 arc(79.37,53.52) Q1#4.3 79.67,52.74 arc(79.63,52.58) 79.55,52.45 78.94,51.85 arc(78.81,51.76) 78.66,51.73 R3#8.2
Board_3-/SWD_CLK: length 2.2
  Top w0.2: v1(76.92,55.6) 77.01,55.51 arc(77.45,55.21) 77.97,55.11 arc(78.32,54.96) 78.47,54.61 U4#5.24
Board_3-/SWD_IO: length 1.7
  Top w0.2: U4#5.25 78.87,54.74 arc(78.62,55.34) v1(78.02,55.59)
Board_3-/USB+: length 0.8
  Top w0.2: R12#5.1 76.2,69.18 arc(76.5,68.97) U1#2.1
Board_3-/USB-: length 0.8
  Top w0.2: R13#10.1 78.6,69.17 arc(78.3,68.97) U1#2.3
Board_3-GND: length 8.2
  Top w0.2: Q1#4.4 79.67,51.9 arc(79.7,52.06) 79.78,52.19 79.8,52.2 arc(79.93,52.29) 80.08,52.32 80.23,52.32 arc(80.38,52.35) 80.51,52.44 80.55,52.47 arc(80.63,52.6) 80.67,52.76 Q1#4.1 ; v1(77.47,57.85) 76.44,56.82 76.44,54.44 U4#5.19
  Top w0.3: C16#8.2 74.35,63.43 arc(74.53,63.71) U3#9.4
  Top w0.5: C5#9.2 80.7,68.9 U2.2 80.96,69.05 81.11,69.2
  vias: v1(69,70.52) v1(69.03,65.43) v1(69.03,62.88) v1(69.05,50.17) v1(69.06,57.8) v1(71.05,48.22) v1(71.28,56.77) v1(71.41,58.86) v1(71.72,77.37) v1(72.22,70.05) v1(72.81,63.28) v1(73.3,52.98) v1(73.59,48.28) v1(76.88,58.45) v1(76.87,57.85) v1(76.86,57.25) v1(77.44,67.15) v1(77.44,66.55) v1(77.44,65.95) v1(77.44,65.35) v1(77.44,64.75) v1(77.47,58.45) v1(77.47,57.25) v1(78.08,58.45) v1(78.07,57.85) v1(78.06,57.25) v1(78.67,48.25) v1(79.11,52.68) v1(79.78,70.79) v1(80.88,63.46) v1(81.05,52.24) v1(81.19,48.24) v1(81.92,66.53) v1(82.98,77.45) v1(83.61,51.98) v1(84.08,68.07) v1(85.75,70.45) v1(85.7,55.27) v1(85.66,52.69) v1(85.75,65.4) v2(73.55,73.14) v2(74.22,73.14) v2(80.62,73.14) v2(81.3,73.14)
Board_3-Net-(C8-Pad2): length 3.9
  Top w0.2: R14#7.1 75.93,53.09 arc(75.82,52.92) 75.78,52.73 75.78,52.06 arc(75.69,51.56) 75.41,51.14 74.97,50.7 Y1#8.1 74.67,50.92 C8#7.2
Board_3-Net-(D1-A): length 22.4
  Top w0.2: v1(81.44,61.21) 81.49,61.21 arc(82.17,61.49) D1#6.2 ; JP1#5.2 71.95,67.17 v1(71.95,66.92)
  In1.Cu w0.2: v1(81.44,61.21) 80.34,61.21 arc(79.87,61.12) 79.48,60.85 arc(79.26,60.53) 79.19,60.15 arc(79.3,59.57) 79.63,59.08 80.08,58.63 arc(80.22,58.27) 80.08,57.92 80.06,57.9 arc(79.71,57.76) 79.35,57.9 78.53,58.73 arc(78.31,58.87) 78.06,58.92 74.61,58.92 arc(73.96,59.2) 73.69,59.85 73.69,60.24 arc(73.53,61.03) 73.08,61.7 72.33,62.45 arc(71.91,63.08) 71.77,63.82 71.77,66.49 arc(71.81,66.72) 71.94,66.92 v1(71.95,66.92)
